# Altium PCB USB3.2_Hub_4Port.PcbDoc (part 2 of 4)
Units mm, origin at the board's own origin, x right, y up, seen from the top; angles counter-clockwise.
Board outline 100 x 50 mm, 6 copper layers (Top Layer, Int1 (GND), Int2 (Sign), Int3 (PWR), Int4 (GND), Bottom Layer), stack 1.484 mm thick; 182 components, 122 nets, 691 pads, 1354 vias.
Unrouted connection lines stored in the file: 48.
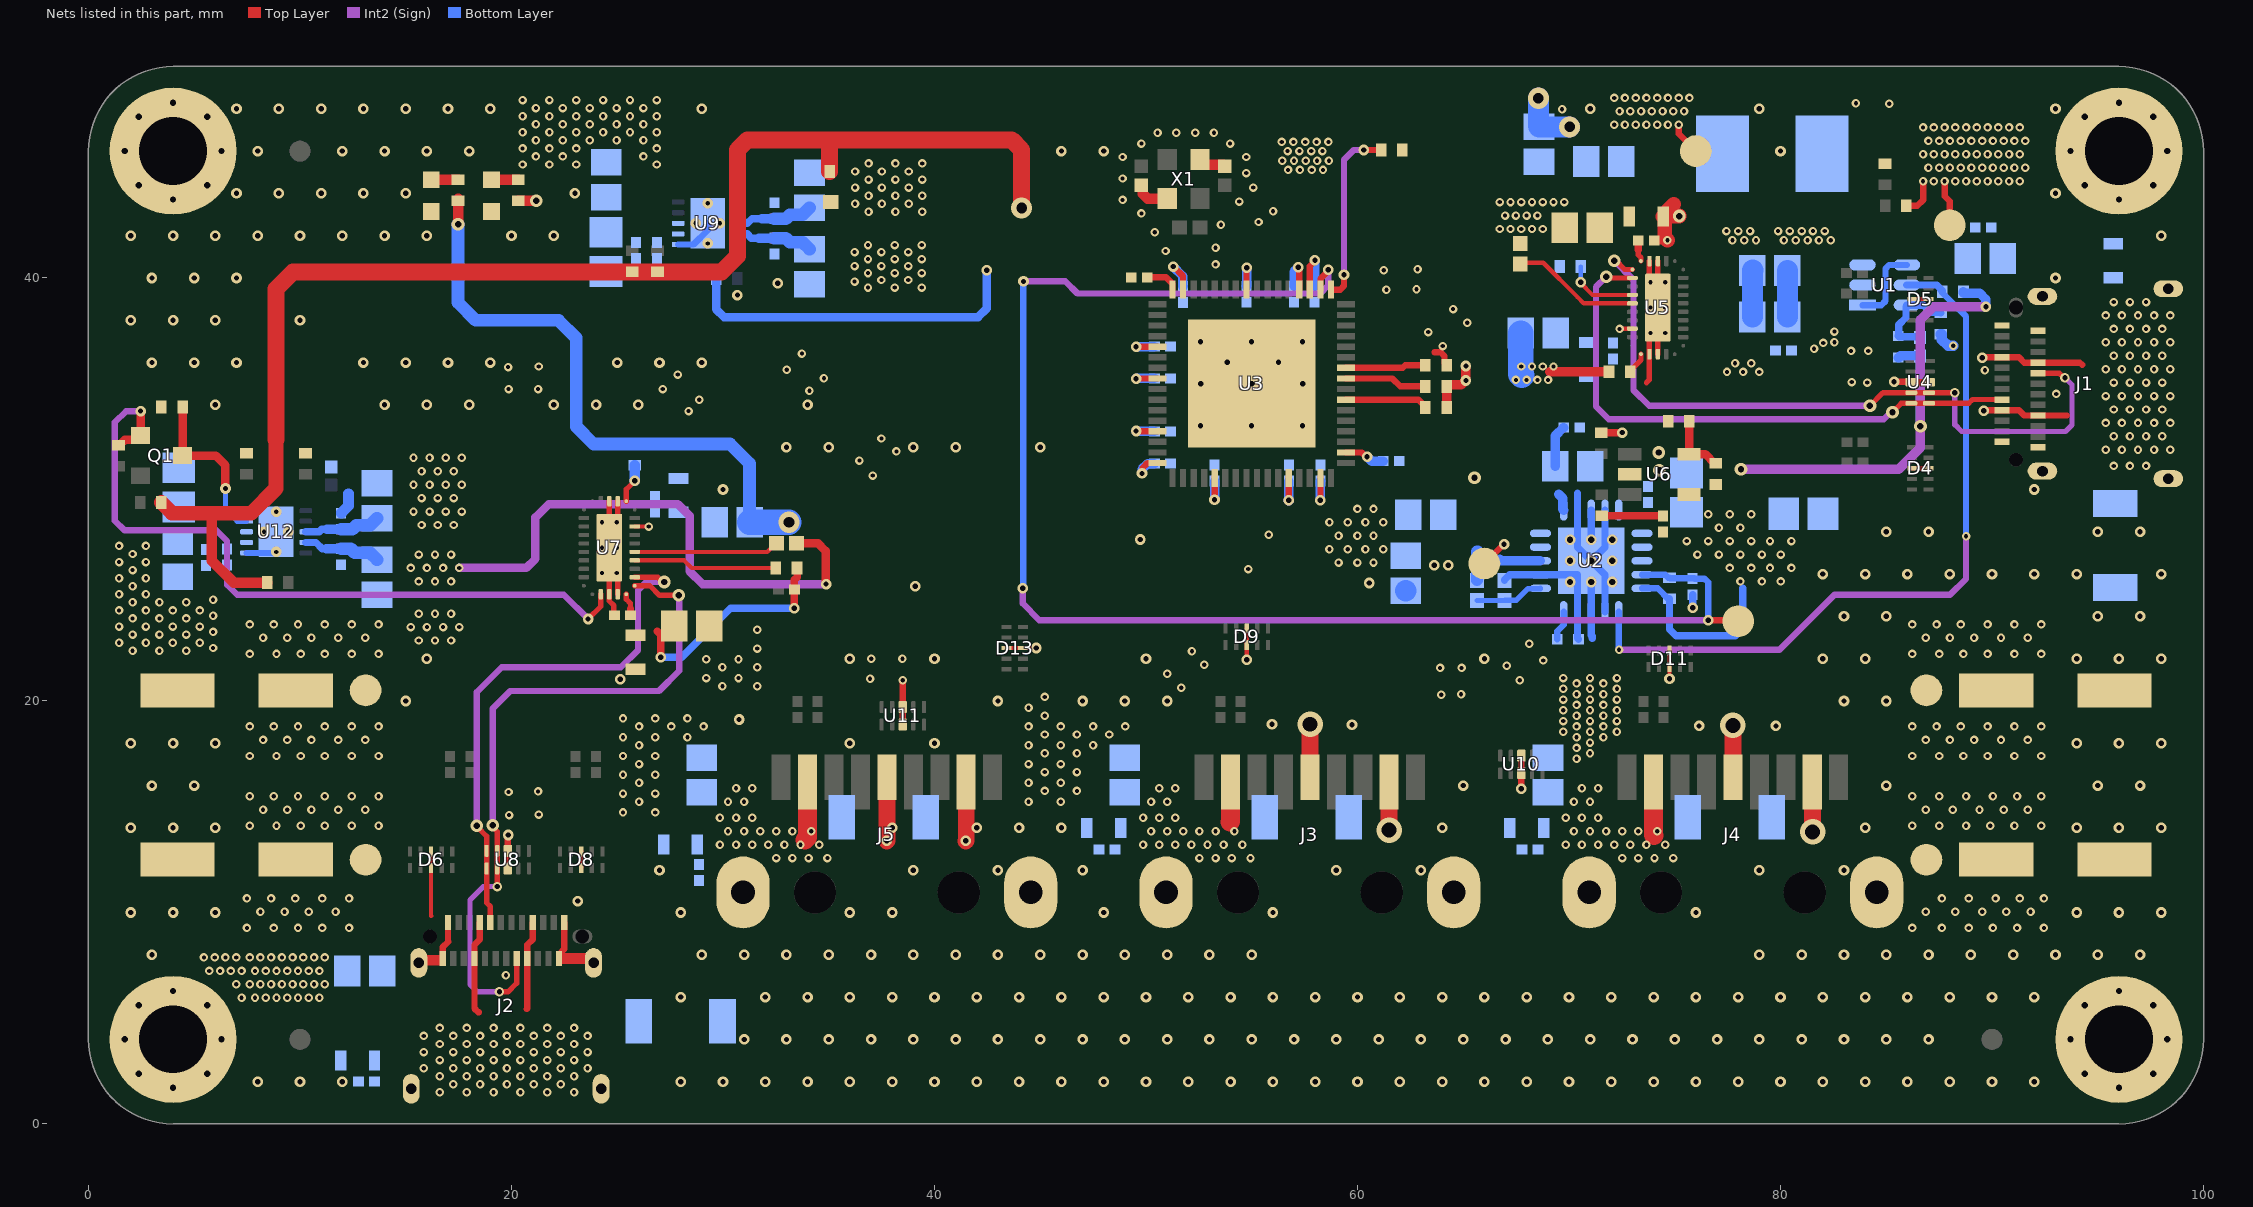
[diagram p6: the nets of this part, all layers, seen from the top]

## Part data
C1 C11 C13 C14 C16 C24 C63 C65 C76 C78: library part CMP-06035-047417-1, "Chip Multilayer Ceramic Capacitors for General Purpose, 0805, 10uF, X7R, 15%, 10%, 25V"
C2 C3 C4 C5 C6 C7 C8 C9 C12 C15 C17 C18 C19 C20 C23 C25 C30 C32 C33 C34 C35 C36 C39 C41 C43 C44 C46 C47 C48 C49 C51 C52 C53 C55 C56 C57 C59 C60 C64 C66 C68 C69 C70 C72 C73 C77 C79: library part CMP-06035-030480-1, "Multi-Layer Ceramic Capacitor 100nF 50V X7R ±10% 0402 Paper T/R"
C10: library part CMP-06035-021449-1, "Ceramic Capacitor for Automotive 6.8pF ±0.1pF 50VDC C0G 0402 Paper T/R"
C21 C22 C58 C71: library part CMP-06035-048385-1, "Chip Multilayer Ceramic Capacitors for General Purpose, 0805, 4.7uF, X7R, 15%, 10%, 35V"
C26: library part CMP-03422-000843-1, "CAP CER 2200PF 50V X7R 0402", Capacitance="2.2 nF", Manufacturer=Yageo, Manufacturer Part Number=AC0402KRX7R9BB222, Package=AC0402-0.5, Temperature="-55°C to +125°C", Temperature Characteristic=X7R, Temperature Coefficient=±15%, Temperature Range High=+125°C, Temperature Range Low=-55°C, Tolerance=0.1, Voltage Rating="50 V", Automotive=Yes, Automotive Grade="Grade 1", Category=Cap, ComponentLink2Description=Datasheet, ComponentLink2URL=http://www.yageo.com/documents/recent/UPY-AC_NP0X7R_16V-to-630V_12.pdf, Device Class L1="Passive Components", Device Class L2=Capacitors, Device Class L3="Ceramic Capacitors", Digikey Description="CAP CER 2200PF 50V X7R 0402", Footprint Url=http://www.yageo.com/exep/pages/download/literatures/UPY-C_GEN_24.pdf, Height=0.55mm, Ipc Land Pattern Name=CAPC10050X50, Lead Free=Yes, Material=Ceramic, Mouser Description="Cap Ceramic 0.0022uF 50V X7R 10% Pad SMD 0402 125C Automotive T/R", Octopart=https://octopart.com/ac0402krx7r9bb222-yageo-78873070, RoHS=TRUE
C27: library part CMP-06035-028020-1, "Chip Multilayer Ceramic Capacitors for General Purpose, 0402, 1.0uF, X7R, 15%, 10%, 10V"
C28 C29 C31 C40 C42 C45 C50 C54 C67: library part C1608X7R1H105K080AB, "The superior mechanical strength and reliability due to the monolithic structure.  Low ESR, ESL and excellent frequency characteristics allow for a circuit design that closely conforms to theoretical values.  Low self-heating and high ripple resistance due to low ESR.  No polarity", Manufacturer_Name=TDK, Mouser Part Number=810-C1608X7R1H105K08, Datasheet Link=https://media.digikey.com/pdf/Data%20Sheets/TDK%20PDFs/mlcc_commercial_general_Rev2018.pdf, Geometry.Height=0.9mm, Manufacturer_Part_Number=C1608X7R1H105K080AB, Mouser Price/Stock=https://www.mouser.co.uk/ProductDetail/TDK/C1608X7R1H105K080AB?qs=efUn273yAhdzCWVW9RXgig%3D%3D
C37 C38: library part 04025U150FAT2A, "AVX - 04025U150FAT2A - CAP, MLCC, C0G / NP0, 15PF, 50V, 0402", Manufacturer_Name="Kyocera AVX", Mouser Part Number=581-04025U150FAT2A, Datasheet Link=https://componentsearchengine.com/Datasheets/1/04025U150FAT2A.pdf, Geometry.Height=0.56mm, Manufacturer_Part_Number=04025U150FAT2A, Mouser Price/Stock=https://www.mouser.com/Search/Refine.aspx?Keyword=581-04025U150FAT2A
C61 C62 C74 C75: library part CMP-03913-53914523-3, "Alum. Electrolytic Cap 47UF 35V 5.5MMV-CHIP Wcap-asll, Lifetime 2000H +105OC", Capacitance=47µF, Case/Package=Radial, ESR (Equivalent Series Resistance)=416.365mΩ, Insulation Resistance=2.12766MΩ, Leakage Current=16.45µA, Max Operating Temperature=105°C, Min Operating Temperature=-55°C, Ripple Current=240mA, Tolerance=20%, Voltage Rating=35V, Diameter=6.3mm, Height=5.5mm, Impedance=440mΩ, Length=5.5mm, Life (Hours)=2000hours, Material=Aluminium, Packaging="Cut Tape", REACH SVHC=Unknown, Ripple Current (AC)=240mA, Voltage Rating (DC)=35V
D1: library part CMP-2000-05197-2, "LED GREEN CLEAR CHIP SMD LTST-C193TGKT-5A", Case Code (Imperial)=0603, Case Code (Metric)=1608, Forward Current=30mA, Forward Voltage=2V, Lens Color=Colorless, Manufacturer Part Number=LTST-C193TGKT-5A, Max Operating Temperature=85°C, Min Operating Temperature=-55°C, Package Quantity=1, Power Dissipation=75mW, Reverse Voltage=5V, Test Current=20mA, Case/Package=0603, Color=Green, Depth=0.8mm, Dominant Wavelength=571nm, Height=0.8mm, Illumination Color=Green, Lead Free="Lead Free", Length=1.6mm, Lens Style=Diffused, Lens Transparency=Clear, Luminous Intensity=35mcd, Mount="Surface Mount", Number of Elements=1, Number of LEDs=1, Number of Pins=2, Packaging="Tape and Reel", Power Rating=75mW, Radiation Hardening=No, Viewing Angle=130°, Wavelength=574nm, Width=0.8mm
D2: library part CMP-2000-06624-2, "LED BLUE CLEAR CHIP SMD LTST-C193TBKT-5A", Case Code (Imperial)=0603, Case Code (Metric)=1608, Forward Current=20mA, Forward Voltage=2.8V, Lens Color=Colorless, Max Operating Temperature=80°C, Min Operating Temperature=-20°C, Package Quantity=1, Power Dissipation=76mW, Reverse Voltage=5V, Test Current=5mA, Case/Package=0603, Color=Blue, Depth=0.8mm, Dominant Wavelength=475nm, Height=0.35mm, Illumination Color=Blue, Lead Free="Lead Free", Length=1.6mm, Lens Style=Diffused, Lens Transparency=Clear, Luminous Intensity=15mcd, Mount="Surface Mount", Number of Elements=1, Number of LEDs=1, Number of Pins=2, Packaging="Tape and Reel", Radiation Hardening=No, RoHS Compliant=Yes, Viewing Angle=130°, Width=0.8mm
D3 D7 D10 D12 D14: library part CMP-2000-07090-1, "SMAJ Transient Voltage Suppressor Diode Series, 3.5 V, -55 to 150 degC, 2-Pin SMA, RoHS, Tape and Reel", Capacitance @ Frequency=-, Current - Peak Pulse (10/1000µs)=43.5A, Manufacturer=Bourns, Operating Temperature=-55°C~150°C(TJ), Package / Case=DO-214AC,SMA, Package Description="2-Pin Surface Mount Device, Body 4.315 x 2.605 mm", Package Reference=SMA-2, Power - Peak Pulse=400W, Power Line Protection=No, Standard Package=1, Supplier Device Package=SMA(DO-214AC), Voltage - Breakdown (Min)=6.4V, Voltage - Clamping (Max) @ Ipp=9.2V, Voltage - Reverse Standoff (Typ)=5V, Applications=GeneralPurpose, Bidirectional Channels=-, Catalog Drawings=SMAJSeriesFootprintSMAJ,SMBJSeries, Category=CircuitProtection, Datasheet URL=https://datasheet.ciiva.com/25624/0900766b8112213b-25624680.pdf, Datasheet Version=08/2012, EDA / CAD Models=DownloadfromAcceleratedDesigns, Family=TVS-Diodes, Featured Product=SMAJ/SMBJ/SMCJ/SMLJDiscreteTVSDiodes, Manufacturer URL=http://www.bourns.com/, Mounting Technology=SurfaceMount, Mounting Type=SurfaceMount, Online Catalog=SMAJSeries, Other Names=SMAJ5.0ABDKR, Packaging=Digi-Reel®, RoHS Information=SMAJSeriesMaterialDeclaration, Series=SMAJ, Type=Zener, Unidirectional Channels=1
D4 D5 D6 D8 D9 D11 D13: library part CMP-14432-000005-1, "TVS DIODE 3.3VWM 3VC DFN2510A-10", RoHS Compliant=Yes
FB1 FB2 FB3 FB4 FB5 FB6 FB7 FB8 FB9 FB10 FB11 FB12: library part CMP-0686-00610-3, "Chip Ferrite Bead, 0805, 220Ω @ 100MHz, 0.045Ω, 25%, 2A", Case Code (Imperial)=0805, Case Code (Metric)=2012, Current=2A, DC Resistance (DCR)=45mR, Frequency=100MHz, Max Operating Temperature=125°C, Min Operating Temperature=-55°C, Package Quantity=1, Tolerance=25%, Case/Package=0805, Contact Plating=Tin, Core Material=Ferrite, Current Rating=2A, DC Current=2A, DC Resistance-Max=45mR, Depth=1.25mm, Height=0.85mm, Impedance=220R, Lead Free="Lead Free", Length=2mm, Material=Ferrite, Max Current Rating=2A, Max DC Current=2A, Military Standard=Not, Number of Circuits=1, Number of Lines=1, Number of Pins=2, Packaging="Tape and Reel", Radiation Hardening=No, REACH SVHC="No SVHC", RoHS Compliant=Yes, Series=BLM21P, Shielding=Unshielded, Termination=SMD/SMT, Test Frequency=100MHz, Width=1.25mm
J1 J2: library part CMP-02355-000003-1, "CONN RCP USB3.1 TYPEC 24P SMD RA", Connector Type=USB, Gender=Receptacle, Mount="Surface Mount", Number of Contacts=24, Number of Pins=24, Packaging="Cut Tape"
J3 J4 J5: library part CMP-1502-03220-3, "Conn USB 3.0 Type A RCP 9 POS 1.25mm Solder RA SMD 9 Terminal 1 Port T/R", Color=Blue, Contact Resistance=50mΩ, Current Rating=250mA, Flammability Rating="UL94 V-0", Insulation Resistance=100MΩ, Max Operating Temperature=85°C, Min Operating Temperature=-20°C, Operating Supply Voltage=30V, Connector Type=USB, Contact Material="Gold, Nickel", Contact Plating=Gold, Features=Shielded, Gender=Receptacle, Height=8.01mm, Lead Free="Lead Free", Length=15.1mm, Mount="Horizontal, Surface Mount, Through Hole", Number of Contacts=9, Number of Pins=9, Number of Ports=1, Orientation=Horizontal, Packaging="Tape and Reel", REACH SVHC=Unknown, RoHS=Compliant, Termination=SMD/SMT, USB Standard="USB 3.0", Voltage Rating=30V, Voltage Rating (AC)=30V, Width=16.66mm
L1: library part ETQP3M3R3YFP, "ETQPSeries SMD Wire Wound Choke w/ Metal Core,3.3 uH +/-20% Wire-Wound 8.6A Idc", Package=Package, Check_prices=https://www.snapeda.com/parts/ETQP3M3R3YFP/Panasonic/view-part/?ref=eda, MF=Panasonic, MP=ETQP3M3R3YFP, SnapEDA_Link=https://www.snapeda.com/parts/ETQP3M3R3YFP/Panasonic/view-part/?ref=snap
Q1: library part CMP-12801-000021-1, "MOSFET P-CH 20V 4.2A SOT23", Continuous Drain Current=-4.2A, Drain To Source Breakdown Voltage=-20V, Drain To Source Resistance=40mΩ, Gate To Source Voltage=8V, Input Capacitace At Vds="808pF @ -15V", Manufacturer="Diodes Inc.", Max Junction Temp=+150°C, Package=SOT23, Power Dissipation=1.4W, Pulse Drain Current=-15A, Temperature="-55°C to +150°C", Temperature Range Low=-55°C, Automotive=No, Category=Trans, ComponentLink2Description=Datasheet, ComponentLink2URL=https://www.diodes.com/assets/Datasheets/DMG2305UX.pdf, Depletion Mode=False, Device Class L1="Discrete Semiconductors", Device Class L2=Transistors, Device Class L3=MOSFETs, Digikey Description="MOSFET P-CH 20V 4.2A SOT23", Drain To Source Voltage=-20V, Footprint Url=https://www.diodes.com/assets/Package-Files/SOT23.pdf, Gate Charge At Vgs="10.2nC @ -4.5V", Height=1.1mm, Ipc Land Pattern Name=SOT92P240X102-3, Lead Free=Yes, Manufacturer Part Number=DMG2305UX-13, Mouser Description="MOSFET P-Ch ENH FET -20V 52mOhm -5.0V", Number Of Channels=1, Number Of P Channels=1, Octopart=https://octopart.com/dmg2305ux-13-diodes+inc.-29925594, RoHS=TRUE, Rthja Max=90°C/W, Standoff Height=0.013mm, Temperature Range High=+150°C, Threshold Vgs Max=-0.9V, Threshold Vgs Min=-0.5V, Turn Off Delay Time=79.3ns, Turn On Delay Time=10.8ns
R1: library part CMP-2002-00948-2, Case Code (Imperial)=0402, Case Code (Metric)=1005, Max Operating Temperature=155°C, Max Power Dissipation=100mW, Min Operating Temperature=-55°C, Resistance=453kΩ, Temperature Coefficient=100ppm/°C, Tolerance=1%, Voltage Rating=50V, Case/Package=0402, Composition="Thick Film", Contact Plating=Tin, Depth=500µm, Height=350µm, Lead Free="Lead Free", Length=1mm, Lifecycle Status=Production, Military Standard=Not, Mount="Surface Mount", NexarPartId=55421189, Number of Terminations=2, Packaging="Cut Tape", Power Rating=100mW, REACH SVHC=Yes, RoHS=Compliant, Schedule B="8533210045, 8533210045", Termination=SMD/SMT, Voltage Rating (DC)=50V, Width=508µm
R2 R3 R4 R5 R6 R30 R31: library part CMP-03412-039042-1, "RES 100kΩ ±1% 0.125W 0402"
R7: library part CMP-03412-017080-2, "RES 1.87kΩ ±1% 0.063W 0402", Case/Package=0402, Max Operating Temperature=155°C, Max Power Dissipation=63mW, Min Operating Temperature=-55°C, Resistance=1.87kR, Resistor Type="Thick Film", Temperature Coefficient=100ppm/°C, Tolerance=1%, Features="Moisture Resistant", Height=0.015inch, Length=0.039inch, Number of Terminations=2, Packaging="Tape and Reel", RoHS Compliant=Yes, Series=AC, Width=0.02inch
R8: library part CMP-03412-049531-1, "RES 4.99kΩ ±1% 0.125W 0402", RoHS Compliant=Yes
R9: library part CMP-03412-009342-2, "RES 90.9kΩ ±1% 0.063W 0402", Case Code (Imperial)=0402, Case Code (Metric)=1005, Max Operating Temperature=155°C, Max Power Dissipation=63mW, Min Operating Temperature=-55°C, Power Rating=62.5mW, Resistance=90.9kR, Resistor Type="Thick Film", Temperature Coefficient=100ppm/°C, Tolerance=1%, Voltage Rating=50V, Case/Package=0402, Features="Moisture Resistant", Height=0.015inch, Length=0.039inch, Number of Terminations=2, Packaging="Tape and Reel", RoHS Compliant=Yes, Series=AC, Termination=SMD/SMT, Width=0.5mm
R10 R16 R17 R19 R21 R22 R23 R28 R29 R32 R33 R34 R35 R37 R38: library part CMP-2002-01790-3, "RES 10kΩ ±1% 0.063W 0402", Case Code (Imperial)=0402, Case Code (Metric)=1005, Max Operating Temperature=155°C, Max Power Dissipation=63mW, Min Operating Temperature=-55°C, Power Rating=62.5mW, Resistance=10kR, Resistor Type="Thick Film", Temperature Coefficient=100ppm/°C, Tolerance=1%, Voltage Rating=50V, Case/Package=0402, Construction=Rectangular, Depth=0.5mm, Features="Moisture Resistant", Height=0.015inch, Lead Free="Lead Free", Length=0.039inch, Military Standard=Not, Number of Terminations=2, Packaging="Tape and Reel", RoHS Compliant=Yes, Series=AC, Size Code=0402, Termination=SMD/SMT, Width=0.02inch
R11 R24: library part CMP-03412-002362-2, "RES 200kΩ ±1% 0.063W 0402", Case Code (Imperial)=0402, Case Code (Metric)=1005, Max Operating Temperature=155°C, Max Power Dissipation=63mW, Min Operating Temperature=-55°C, Power Rating=62.5mW, Resistance=200kR, Resistor Type="Thick Film", Temperature Coefficient=100ppm/°C, Tolerance=1%, Voltage Rating=50V, Case/Package=0402, Features="Moisture Resistant", Height=0.015inch, Lead Free="Lead Free", Length=0.039inch, Number of Terminations=2, Packaging="Tape and Reel", RoHS Compliant=Yes, Series=AC, Size Code=0402, Termination=SMD/SMT, Weight=2.3E-05oz, Width=0.5mm
R12 R14 R15 R25: library part CMP-03412-009386-2, "RES 4.7kΩ ±1% 0.063W 0402"
R13 R26: library part CMP-03412-019105-2, "RES 909kΩ ±1% 0.063W 0402", Case Code (Imperial)=0402, Case Code (Metric)=1005, Max Operating Temperature=155°C, Max Power Dissipation=63mW, Min Operating Temperature=-55°C, Power Rating=62.5mW, Resistance=909kR, Resistor Type="Thick Film", Temperature Coefficient=100ppm/°C, Tolerance=1%, Voltage Rating=50V, Case/Package=0402, Features="Moisture Resistant", Height=0.015inch, Length=0.039inch, Number of Terminations=2, Packaging="Tape and Reel", RoHS Compliant=Yes, Series=AC, Termination=SMD/SMT, Width=0.5mm
R18: library part CMP-03412-035186-2, "RES 9.53kΩ ±1% 0.063W 0402", Case/Package=0402, Max Operating Temperature=155°C, Max Power Dissipation=63mW, Min Operating Temperature=-55°C, Resistance=9.53kR, Resistor Type="Thick Film", Temperature Coefficient=100ppm/°C, Tolerance=1%, Features="Moisture Resistant", Height=0.015inch, Length=0.039inch, Number of Terminations=2, Packaging="Tape and Reel", RoHS Compliant=Yes, Series=AC, Width=0.02inch
R20: library part CMP-2002-01800-2, "RES 1MΩ ±1% 0.063W 0402", Case Code (Imperial)=0402, Case Code (Metric)=1005, Max Operating Temperature=155°C, Max Power Dissipation=63mW, Min Operating Temperature=-55°C, Power Rating=62.5mW, Resistance=1MR, Resistor Type="Thick Film", Temperature Coefficient=100ppm/°C, Tolerance=1%, Voltage Rating=50V, Case/Package=0402, Construction=Rectangular, Depth=0.5mm, Features="Moisture Resistant", Height=0.015inch, Lead Free="Lead Free", Length=0.039inch, Military Standard=Not, Number of Terminations=2, Packaging="Tape and Reel", RoHS Compliant=Yes, Series=AC, Size Code=0402, Termination=SMD/SMT, Width=0.5mm
R27: library part CMP-03412-006289-2, "RES 499kΩ ±1% 0.063W 0402", Case Code (Imperial)=0402, Case Code (Metric)=1005, Max Operating Temperature=155°C, Max Power Dissipation=63mW, Min Operating Temperature=-55°C, Ratings=AEC-Q200, Resistance=499kR, Resistor Type="Thick Film", Temperature Coefficient=100ppm/°C, Tolerance=1%, Case/Package=0402, Features="Moisture Resistant", Height=0.015inch, Length=0.039inch, Number of Terminations=2, Packaging="Tape and Reel", RoHS Compliant=Yes, Series=AC, Width=0.02inch
R36: library part CMP-2002-01828-3, "RES 56kΩ ±1% 0.063W 0402", Case Code (Imperial)=0402, Case Code (Metric)=1005, Max Operating Temperature=155°C, Max Power Dissipation=63mW, Min Operating Temperature=-55°C, Resistance=56kR, Resistor Type="Thick Film", Temperature Coefficient=100ppm/°C, Tolerance=1%, Case/Package=0402, Features="Moisture Resistant", Height=0.015inch, Lead Free="Lead Free", Length=0.039inch, Number of Terminations=2, Packaging="Cut Tape", Power Rating=63mW, RoHS Compliant=Yes, Series=AC, Size Code=0402, Width=0.02inch
R39: library part CMP-03412-003373-2, "RES 37.4kΩ ±1% 0.063W 0402", Case Code (Imperial)=0402, Case Code (Metric)=1005, Max Operating Temperature=155°C, Max Power Dissipation=63mW, Min Operating Temperature=-55°C, Power Rating=62.5mW, Resistance=37.4kR, Resistor Type="Thick Film", Temperature Coefficient=100ppm/°C, Tolerance=1%, Voltage Rating=50V, Case/Package=0402, Features="Moisture Resistant", Height=0.015inch, Length=0.039inch, Number of Terminations=2, Packaging="Tape and Reel", RoHS Compliant=Yes, Series=AC, Termination=SMD/SMT, Width=0.5mm
U1: library part CMP-04918-000611-1, "IC REG BUCK ADJ 2A TSOT23-6", Case/Package=SOT-23-6, Max Input Voltage=5.5V, Max Operating Temperature=125°C, Min Input Voltage=2.5V, Min Operating Temperature=-40°C, Min Output Voltage=600mV, Output Current=2A, Switching Frequency=1.5MHz, Max Output Voltage=5.5V, Mount="Surface Mount", Output Configuration=Positive, Output Type=Adjustable, Packaging="Cut Tape", RoHS Compliant=Yes, Synchronous Rectifier=Yes
U2: library part CMP-0395-01395-1, "Single Output LDO, 1.5 A, Adjustable 0.8 to 3.6 V Output, 0.8 to 5.5 V Input, with Programmable Soft Start, 20-pin VQFN (RGW), -40 to 125 degC, Green (RoHS & no Sb/Br)", Manufacturer="Texas Instruments", PartNumber=TPS74801RGWTG4, Power Good=TRUE, Rating=Catalog, Accuracy(%)=2, Code_JEDEC=MO-220, ComponentLink1Description="Manufacturer URL", ComponentLink1URL=http://www.ti.com/, ComponentLink2Description=Datasheet, ComponentLink2URL=http://www.ti.com/general/docs/lit/getliterature.tsp?genericPartNumber=TPS74801&fileType=pdf, ComponentLink3Description="Package Specification", ComponentLink3URL=http://www.ti.com/litv/pdf/mpqf122b, ComponentLink4Description="URL Link1", ComponentLink4URL="Samples URL:http://www.ti.com/product/tps74801#samples", DatasheetVersion=SBVS074J, Eco-Plan="Green (RoHS & no Sb/Br)", Iout(Max)(A)=1.5, Iq(Typ)(mA)=1, Mounting Technology="Surface Mount", PackageDescription="20-Pin Plastic Quad Flat No-Pin, 5 x 5 mm Body, 0.65 mm Pitch, 3.15 x 3.15 mm Exposed Pad", PackageReference=RGW20-3150X3150TP, SubFamily="Single Channel LDO", Vdo(Typ)(mV)=60, Vin(Max)(V)=5.5, Vin(Min)(V)=0.8, Vout Adj(Max)(V)=3.6, Vout Adj(Min)(V)=0.8
U3: "Four-port USB 3.2 x1 Gen1 hub with USB billboard", Manufacturer_Name="Texas Instruments", Mouser Part Number=595-TUSB8044ARGCR, Datasheet Link=http://www.ti.com/lit/gpn/TUSB8044A, Geometry.Height=1mm, Manufacturer_Part_Number=TUSB8044ARGCR, Mouser Price/Stock=https://www.mouser.co.uk/ProductDetail/Texas-Instruments/TUSB8044ARGCR?qs=9r4v7xj2LnlTBCFutY1Bfg%3D%3D
U4 U8 U10 U11: library part CMP-04985-000004-1, "TVS DIODE 5.5V 14V 10USON", Ambient Temperature Range High=+125°C, Ambient Temperature Range Low=-40°C, Breakdown Voltage=6.4V, Capacitance=0.5pF, Clamping Voltage=14V, Manufacturer="Texas Instruments", Operating Supply Voltage=5.5V, Package=DQA0010A, Peak Pulse Current=2.5A, Peak Pulse Power=2.5W, Temperature="-40°C to +125°C", Automotive=Yes, Automotive Grade="Grade 1", Category=IC, ComponentLink2Description=Datasheet, ComponentLink2URL=http://www.ti.com/lit/ds/symlink/tpd4e05u06-q1.pdf, Device Class L1="Circuit Protection", Device Class L2="ESD and Circuit Protection ICs", Device Class L3=unset, Digikey Description="TVS DIODE 5.5V 14V 10USON", Direction=Unidirectional, Height=0.55mm, Interface=USB,Ethernet,LVDS,Other, Lead Free=Yes, Manufacturer Part Number=TPD4E05U06QDQARQ1, Mouser Description="Automotive 4-Channel ESD Protection Solution for SuperSpeed (up to 5 Gbps) Interface 10-USON -40 to 125", Number Of Channels=4, Octopart=https://octopart.com/tpd4e05u06qdqarq1-texas+instruments-48523459, Reverse Standoff Voltage=5.5V, RoHS=TRUE, Standoff Height=0mm, Temperature Range High=+125°C, Temperature Range Low=-40°C
U5 U7: library part CMP-04877-000019-1, "USB TYPE-C DRP PORT CONTROLLER W", Max Operating Temperature=70°C, Max Supply Voltage=5.5V, Min Operating Temperature=0°C, Min Supply Voltage=3V, Data Rate=10Gbps, Lead Free="Lead Free", Mount="Surface Mount", Number of Pins=30, Number of Ports=1, Packaging="Tape and Reel", REACH SVHC="No SVHC", RoHS Compliant=Yes, USB Standard="USB 3.1"
U6: library part CMP-0159-00589-2, "IC EEPROM 8K I2C 400KHZ SOT23-5", Ambient Temperature Range High=+85°C, Ambient Temperature Range Low=-40°C, Frequency=400kHz, Manufacturer=Microchip, Max Supply Voltage=5.5V, Min Supply Voltage=2.5V, Nominal Supply Current=1-3mA, Package=C04-091-OT, Temperature="-40°C to +85°C", Access Time=900ns, Automotive=Yes, Automotive Grade="Grade 3", Category=IC, Ciiva Ids=971476, ComponentLink2Description=Datasheet, ComponentLink2URL=http://ww1.microchip.com/downloads/en/DeviceDoc/20001710L.pdf, Device Class L1="Integrated Circuits (ICs)", Device Class L2=Memory, Device Class L3=EEPROM, Digikey Description="IC EEPROM 8K I2C 400KHZ SOT23-5", Height=1.45mm, Import Ts=1521846298, Interface=I2C,2-Wire, Ipc Land Pattern Name=SOT95P280X118-5, Lead Free=Yes, Manufacturer Part Number=24LC08BT-I/OT, Memory Size=8Kbits, Memory Type=EEPROM, Mouser Description="EEPROM 1kx8 - 2.5V", Octopart=https://octopart.com/24lc08bt-i%2Fot-microchip-93286, Release Date=1302228452, RoHS=TRUE, Temperature Range High=+85°C, Temperature Range Low=-40°C
U9 U12: library part CMP-0337-00206-2, "Automotive Catalog Dual Channel Precision Adjustable Current-Limited Power Switch, 0.25 to 2.5 A Current Limit, -40 to 125 degC, 10-pin SON (DRC), Green (RoHS & no Sb/Br)", Continuous Current(Max)(A)=2.5, Current Limit Accuracy @ 1A="+/-7.5% (2590mA min / 3005mA max)", Current Limit Topology=Constant-Current, Current Limit(A)="0.25 - 2.5", Manufacturer="Texas Instruments", Rating=Automotive, ComponentLink1Description=Datasheet, ComponentLink1URL=http://www.ti.com/general/docs/lit/getliterature.tsp?genericPartNumber=TPS2561-Q1&fileType=pdf, DatasheetVersion=SLVSB51A, Eco-Plan="Green (RoHS & no Sb/Br)", Enable="Active High", Mounting Technology="Surface Mount", Number of Switches=2, PackageDescription="10-Pin Plastic Small Outline No-Lead, 3 x 3 x 1 mm Body, 0.5 mm Pitch, Exposed Pad", PackageReference=DRC0010A, PackageVersion="revL, Sep-2011", PartNumber=TPS2561QDRCRQ1, rDS(on) per FET(Typ)(mOhms)=45, Vin(Max)(V)=6.5, Vin(Min)(V)=2.5
X1: library part ABM10N-24.0000MHZ-10-B1U-T3, "24 MHz +/-10ppm Crystal 10pF 50 Ohms 4-SMD, No Lead , -20C ~ 70C", Manufacturer_Name=ABRACON, Datasheet Link=https://abracon.com/datasheets/ABM10N.pdf, Geometry.Height=0.65mm, Manufacturer_Part_Number=ABM10N-24.0000MHZ-10-B1U-T3

## Via types
v1: diameter 0.4, hole 0.2, Top Layer to Bottom Layer, tented both sides, 905 vias
v2: diameter 0.5, hole 0.25, Top Layer to Bottom Layer, tented both sides, 358 vias
v3: diameter 0.6, hole 0.3, Top Layer to Bottom Layer, tented both sides, 48 vias
v4: diameter 0.5, hole 0.2, Top Layer to Bottom Layer, tented both sides, 20 vias
v5: diameter 0.5, hole 0.3, Top Layer to Bottom Layer, tented both sides, 9 vias
v6: diameter 1.2, hole 0.7, Top Layer to Bottom Layer, tented both sides, 4 vias
v7: diameter 1, hole 0.5, Top Layer to Bottom Layer, tented both sides, 4 vias
v8: diameter 0.45, hole 0.25, Top Layer to Bottom Layer, tented both sides, 4 vias
v9: diameter 0.5, hole 0.25, Top Layer to Bottom Layer, 2 vias

## Nets (pads, with @x,y where several pads share a name; then routed paths per layer and width w, separated by ;. In a path a pad name is that pad's centre, name@x,y a point inside that pad or via, vN(x,y) a via of type N, cw(c..) or ccw(c..) an arc to the next point about the centre after c; other vN are vias at no path point)
1V1_VDD: C24.1 C25.1 FB1.1 R7.2 TP3.1 U2.1 U2.18 U2.19 U2.20 | length 7.5
  Top Layer w0.3: TP3.1@66,26.5 66.011,26.5 66.918,27.407 v2(66.929,27.407)
  Bottom Layer w0.45: 65.65,27.067 65.71,27.127 ; 66.726,26.695 66.796,26.625 U2.18@68.65,26.625 ; C24.1@69.354,31.1 69.354,32.544 69.73,32.92 C25.1@69.751,32.92 ; 69.525,29.771 69.7,29.596 69.7,29.075 U2.1@69.75,29.025
  Bottom Layer w0.55: R7.2@65.65,25.704 65.65,27.067
1V1_VDD_F: C1.1 C2.1 C3.1 C4.1 C5.1 C6.1 C7.1 C8.1 C9.1 FB1.2 U3.5 U3.8 U3.13 U3.21 U3.28 U3.31 U3.51 U3.57 | length 16.2
  Top Layer w0.3: v2(49.53,32.766) 49.546,32.75 U3.13@50.55,32.75 ; v2(49.53,35.23) 49.55,35.25 U3.8@50.55,35.25 ; v2(49.53,36.754) 49.534,36.75 U3.5@50.55,36.75 ; v2(53.238,29.515) 53.25,29.526 U3.21@53.25,30.55 ; U3.57@54.75,39.45 54.75,40.475 v2(54.762,40.488) ; v2(56.744,29.489) 56.75,29.496 U3.28@56.75,30.55 ; U3.51@57.75,39.45 57.75,40.551 57.988,40.789 v2(57.988,40.843) ; v2(58.242,29.489) 58.25,29.497 U3.31@58.25,30.55
  Bottom Layer w0.45: v2(49.53,32.766) 49.538,32.758 50.385,32.758 C6.1@50.393,32.75 ; v2(49.53,35.23) 49.544,35.23 49.564,35.25 C5.1@50.393,35.25 ; v2(49.53,36.754) C4.1@50.392,36.754 ; v2(53.238,29.515) 53.244,29.521 53.244,30.387 C7.1@53.25,30.393 ; C2.1@54.75,39.607 54.756,39.613 54.756,40.481 v2(54.762,40.488) ; v2@56.75,29.496 C9.1@56.75,30.393 ; C3.1@57.975,39.607 57.982,39.614 57.982,40.837 v2(57.988,40.843) ; v2(58.242,29.489) 58.246,29.493 58.246,30.389 C8.1@58.25,30.393
  Bottom Layer w0.5: v2(56.744,29.489) v2@56.75,29.496
  other v1: 59.106,26.543 59.995,26.543 60.757,26.543 58.674,27.178 59.538,27.178 60.376,27.178 61.214,27.178 59.106,27.813 59.995,27.813 60.757,27.813 58.674,28.448 59.538,28.448 60.376,28.448 61.214,28.448 59.995,29.083 60.757,29.083
3V3_DN_MUX: C40.2 C41.1 FB5.2 U7.8 | length 0.7
  Top Layer w0.2: U7.8@25.825,28.25 26.487,28.25 v1(26.492,28.245)
3V3_UP_MUX: C29.2 C30.1 FB3.2 U5.8 | length 0.6
  Top Layer w0.2: v1(72.39,37.592) 72.398,37.6 U5.8@73,37.6
3V3_VDD: C10.1 C13.1 C14.1 C15.1 C21.1 C22.1 C23.1 FB2.1 FB3.1 FB5.1 L1.2 R1.2 R2.2 R5.2 R6.2 R11.2 R24.2 TP2.1 U2.5 U2.6 U2.7 U2.8 U2.10 | length 70.4
  Top Layer w0.3: v1(75.184,47.244) 75.184,46.816 TP2.1@76,46
  Top Layer w0.45: 69.088,35.56 R11.2@71.89,35.56
  Top Layer w0.5: v3(17.475,42.545) R5.2@17.475,43.747
  Int2 (Sign) w0.45: v3(78.13,30.963) 85.598,30.963 86.614,31.979 v3(86.614,32.995) 86.614,38.024 87.224,38.633 v2(89.713,38.633)
  Bottom Layer w0.3: U2.10@73.45,25.325 73.451,25.324 74.201,25.324 74.7,24.825 R6.2@74.75,24.825
  Bottom Layer w0.35: R6.2@74.75,24.825 74.75,23.396 75.057,23.089 77.851,23.089 78.207,23.444 78.207,25.324
  Bottom Layer w0.45: R1.2@85.575,36.237 85.588,36.237 85.671,36.321 C10.1@86.6,36.321 86.607,36.314 86.607,33.002 v3(86.614,32.995) ; R2.2@88.65,39.35 88.65,39.3 88.675,39.275 89.424,39.275 89.703,38.996 89.703,38.643 v2(89.713,38.633)
  Bottom Layer w0.6: v3(17.475,42.545) 17.475,38.837 18.313,37.998 22.225,37.998 23.063,37.16 23.063,32.969 23.884,32.148 R24.2@25.832,32.148 30.336,32.148 31.255,31.229 31.255,28.804 FB5.1@31.255,28.448 ; C14.1@78.664,38.143 C14.1@78.671,38.15
  Bottom Layer w1: C14.1@78.671,38.15 C13.1@78.671,40.35 C13.1@78.689,40.368
  Bottom Layer w1.2: FB5.1@31.255,28.448 v7(33.122,28.448) ; FB3.1@67.725,37.4 67.725,35.45 67.767,35.408
  other v1: 78.105,25.654 79.121,25.654 80.01,25.654 77.597,26.289 78.613,26.289 79.502,26.289 80.518,26.289 76.073,26.924 77.089,26.924 78.105,26.924 79.121,26.924 80.01,26.924 75.565,27.559 76.581,27.559 77.597,27.559 78.613,27.559 79.502,27.559 80.518,27.559 77.089,28.194 78.105,28.194 76.581,28.829 77.597,28.829 78.613,28.829 67.488,35.179 67.996,35.179 68.504,35.179 69.012,35.179 77.47,35.56 78.232,35.56 78.994,35.56 67.742,35.814 68.25,35.814 68.758,35.814 69.266,35.814 77.851,35.966 78.613,35.966 77.724,41.783 78.283,41.783 78.842,41.783 77.445,42.215 78.003,42.215 78.562,42.215 72.136,47.244 72.644,47.244 73.152,47.244 73.66,47.244 74.168,47.244 74.676,47.244 72.39,47.879 72.898,47.879 73.406,47.879 73.914,47.879 74.422,47.879 74.93,47.879 75.438,47.879 72.136,48.514 72.644,48.514 73.152,48.514 73.66,48.514 74.168,48.514 74.676,48.514 75.184,48.514 75.692,48.514
3V3_VDD_F: C16.1 C17.1 C18.1 C19.1 C20.1 C39.1 FB2.2 R14.2 R15.2 R16.1 R17.1 R22.1 R28.1 R29.1 R32.1 R33.1 R34.1 R35.1 R37.1 R38.1 U3.16 U3.34 U3.52 U3.63 U6.4 | length 97.5
  Top Layer w0.3: v2(49.809,30.759) 49.848,30.798 49.848,31.026 50.071,31.25 U3.16@50.55,31.25 ; v2(51.283,40.538) 51.308,40.538 51.75,40.096 U3.63@51.75,39.45 ; v2(57.2,40.513) 57.2,40.459 57.25,40.409 U3.52@57.25,39.45 ; U3.34@59.45,31.75 60.195,31.75 60.398,31.547 v2(60.452,31.547) ; R14.2@71.526,32.682 R14.2@71.53,32.686 ; v2@72.513,32.686 v2(72.517,32.69)
  Top Layer w0.35: R14.2@71.53,32.686 v2@72.513,32.686 ; R15.2@71.557,28.756 C39.1@74.442,28.756
  Top Layer w0.4: R15.2@71.552,28.761 R15.2@71.557,28.756 ; C39.1@74.442,28.756 C39.1@74.447,28.75
  Top Layer w0.45: R17.1@64.211,33.873 64.211,34.923 64.236,34.948 64.906,34.948 65.112,35.154 v2(65.126,35.154) v2(65.126,35.839)
  Top Layer w0.5: 5.825,28.88 5.825,26.636 6.861,25.6 R28.1@8.45,25.6
  Top Layer w0.7: R29.1@3.446,29.388 3.954,28.88 5.825,28.88 7.696,28.88 8.865,30.048 8.865,32.371
  Top Layer w0.8: 8.865,32.371 8.865,39.472 9.678,40.285 R35.1@25.703,40.285 R32.1@26.903,40.285 29.922,40.285 30.683,41.046 30.683,46.064 31.152,46.533 43.651,46.533 44.12,46.064 v7(44.12,43.307) ; R34.1@35.044,45.034 35.044,46.189
  Bottom Layer w0.4: R33.1@29.675,39.98 29.675,38.524 30.048,38.151 42.062,38.151 42.469,38.557 v2(42.469,40.361)
  Bottom Layer w0.45: v2(49.809,30.759) 49.819,30.769 49.819,30.96 50.073,31.214 50.382,31.214 C20.1@50.393,31.225 ; v2(51.283,40.538) 51.74,40.081 51.74,39.61 C18.1@51.75,39.6 ; C17.1@57,39.607 57,40.299 57.2,40.499 v2(57.2,40.513) ; v2(60.452,31.547) 60.466,31.547 60.669,31.344 C19.1@61.216,31.344
  other v1: 56.718,45.11 57.277,45.11 57.836,45.11 58.369,45.11 56.439,45.542 56.998,45.542 57.556,45.542 58.09,45.542 58.649,45.542 56.693,45.999 57.252,45.999 57.81,45.999 58.344,45.999 56.413,46.431 56.972,46.431 57.531,46.431 58.064,46.431 58.623,46.431
  other v3: 74.27,30.912 74.244,31.75
5V_DN_MUX: C42.2 C43.1 FB6.2 R25.1 R27.1 U7.30 | length 11.6
  Top Layer w0.25: U7.30@25.425,25.05 25.425,24.816 25.626,24.615 25.626,24.356
  Top Layer w0.35: C43.1@25.626,24.054 25.626,24.356 ; 26.899,23.292 27.051,23.139 v2(27.051,22.073) ; v2(33.376,24.384) 33.377,24.385 33.377,25.272 R27.1@33.379,25.273 33.376,25.276 33.376,25.73 33.503,25.857 33.503,26.286 R25.1@33.5,26.289
  Bottom Layer w0.35: v2(27.051,22.073) 28.042,22.073 30.353,24.384 v2(33.376,24.384)
5V_UP_MUX: C31.2 C32.1 FB4.2 U5.30 | length 1
  Top Layer w0.25: 73.271,41.326 73.271,41.089 73.4,40.96 U5.30@73.4,40.8
  Top Layer w0.35: 73.271,41.326 C32.1@73.271,41.775
5V_VBUS: C11.1 C12.1 C28.2 D3.2 FB4.1 FB6.1 FB10.1 FB12.1 J1.A4 J1.A9 J1.B4 J1.B9 R4.2 R9.2 R13.1 TP1.1 U1.1 U1.4 | length 17.5
  Top Layer w0.3: R9.2@85.946,43.409 85.954,43.417 86.47,43.417 86.741,43.688 v1(86.741,44.577) ; v1(87.757,44.577) 87.757,43.866 88,43.623 TP1.1@88,42.5 ; v9(89.535,36.223) 89.562,36.25 J1.A9@90.475,36.25 91.275,36.25 91.525,36 J1.B4@92.175,36 94.15,36 94.259,35.89 ; v9(89.611,33.725) 89.636,33.75 91.275,33.75 91.525,33.5 J1.B9@92.175,33.5 93.546,33.5
  Top Layer w0.5: R4.2@20.32,43.645 v3(21.166,43.645)